# Altium PCB F405.PcbDoc (part 1 of 2) (continued)
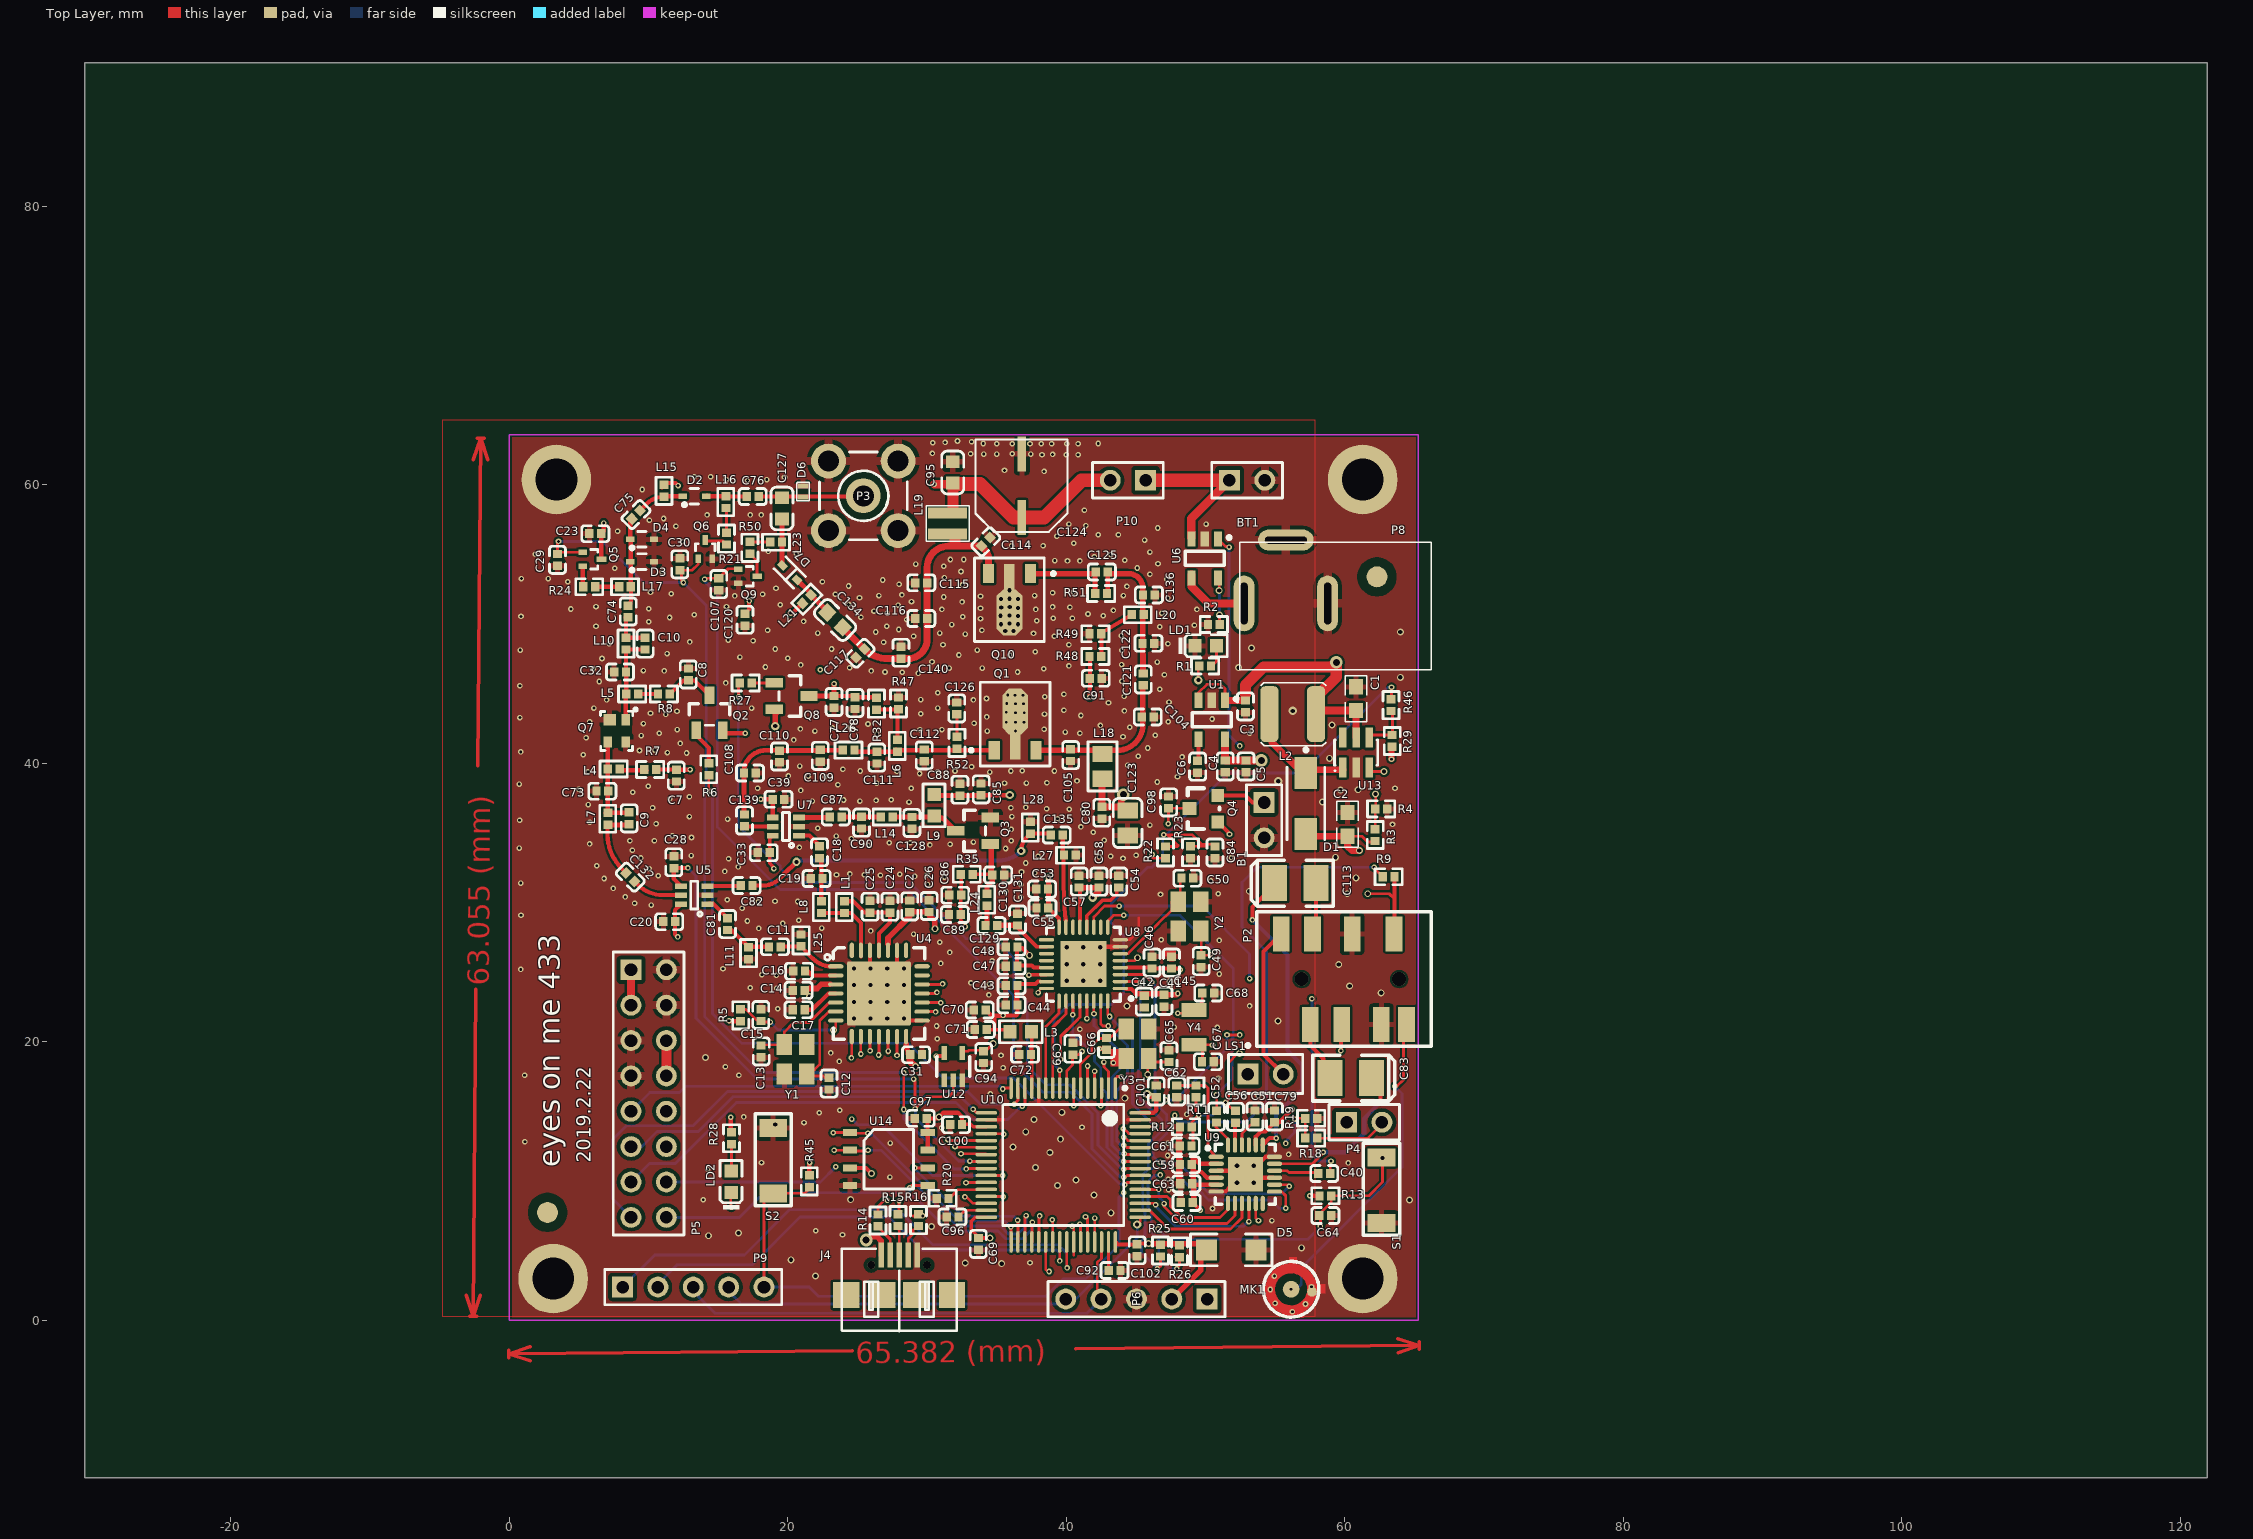
[diagram p0: Top Layer view]
## Footprints (in the part's own frame and the unit in brackets; to place one, negate y for a bottom-side part, rotate by r counter-clockwise, add the part's x,y. Pads: shape width x height; smd on the part's side, far side on the other; paste and mask are expansions set on the pad) (continued)
CASE-B_3528 [mm]
  rect 1.8x2.6 smd: 1(1.5,0) 2(-1.5,0)
  silkscreen extent -2.73,-1.65 3.16,1.65, body extent -1.85,-1.47 1.85,1.46, height 2.03
HDR1X2 [mm] "Connector; Header; 2 Position"
  rect 1.5x1.5 hole 0.9: 1(0,0)
  round 1.5 hole 0.9: 2(2.54,0)
  silkscreen extent -1.27,-1.27 3.81,1.27
HDR1X5 [mm] "Connector; Header; 5 Position"
  rect 1.5x1.5 hole 0.9: 1(0,0)
  round 1.5 hole 0.9: 2(2.54,0) 3(5.08,0) 4(7.62,0) 5(10.16,0)
  silkscreen extent -1.27,-1.27 11.43,1.27
HDR2X8_CEN [mm] "Connector; Header; 8x2 Position"
  rect 1.5x1.5 hole 0.9: 1(0,0)
  round 1.5 hole 0.9: 2(2.54,0) 3(5.08,0) 4(7.62,0) 5(10.16,0) 6(12.7,0) 7(15.24,0) 8(17.78,0) 9(0,2.54) 10(2.54,2.54) 11(5.08,2.54) 12(7.62,2.54) 13(10.16,2.54) 14(12.7,2.54) 15(15.24,2.54) 16(17.78,2.54)
  silkscreen extent -1.27,-1.27 19.05,3.81
LC-SC-75(SOT-523) [mm]
  rect 0.6x0.4 smd: 1(0.675,-0.5) 2(0.675,0.5)
  rect 0.7x0.4 smd: 3(-0.675,0)
  silkscreen extent -0.4,-0.7 0.1,0.7, body extent -0.83,-0.8 0.78,0.8, height 0.8
LC-SOD-523 [mm]
  rect 0.64x0.5 smd: 1(0.73,0) 2(-0.73,0)
  silkscreen extent -1,-0.6 1,0.6, body extent -0.8,-0.4 0.8,0.4, height 0.7
LC-SOT-23(SOT-23-3) [mm]
  rect 1.25x0.7 smd: 1(1.25,-0.95) 2(1.25,0.95) 3(-1.25,0)
  silkscreen extent -0.65,-1.46 0.9,1.46, body extent -1.5,-1.5 1.5,1.5, height 1.3
LC-SOT-23-5 [mm]
  rect 1.1x0.6 smd: 1(1.4,-0.95) 2(1.4,0) 3(1.4,0.95) 4(-1.4,0.95) 5(-1.4,-0.95)
  silkscreen extent -0.5,-1.88 1.62,1.4
LC-SOT-353 [mm]
  rect 1x0.42 smd mask+0.051: 1(0.975,-0.65) 2(0.975,0) 3(0.975,0.65) 4(-0.975,0.65) 5(-0.975,-0.65)
  silkscreen extent -0.7,-1.2 0.7,1.2
"nd3225da - nd2520da" [mm] "Crystal SMD 3.2x2.5mm compatible with 2.5x2.0mm"
  rect 1.5x1.1 smd mask+0.05: 1(-1.05,-0.8) 2(1.05,-0.8) 3(1.05,0.8) 4(-1.05,0.8)
  body extent -1.6,-1.25 1.6,1.25, height 1
PIN2 [mm] "Photosensitive Diode; 2 Leads"
  rect 1.5x1.5 hole 0.9: 1(0,0)
  round 1.5 hole 0.9: 2(2.54,0)
  silkscreen extent -1.4,-1.4 3.94,2.17
PJ30930-Q [mm]
  rect 1.2x2.5 smd: 1(-3.528,-2.908) 2(2.472,3.593) 3(2.322,-2.908) 4(-0.528,-2.908) 5(4.572,-2.908) 6(0.222,3.593) 7(-2.628,3.593) 8(-4.428,3.593)
  silkscreen extent -6.2,-4.48 6.31,5.14
SC70-6 [mm] "SC70 6-Leads, Body 2.0x1.25mm, Pitch 0.65mm"
  rect 0.85x0.4 smd mask+0.05: 1(-0.95,0.65) 2(-0.95,0) 3(-0.95,-0.65) 4(0.95,-0.65) 5(0.95,0) 6(0.95,0.65)
  silkscreen extent -0.55,-1 0.25,1.5, body extent -0.63,-1 0.63,1, height 1.45
SC-79 [mm]
  rect 0.4x0.6 smd: 1(0.051,0.94) 2(0.051,-0.762)
  silkscreen extent -0.68,-0.19 0.61,0.94
SMA [mm]
  rect 2.3x1.6 smd: 1(-2.2,0) 2(2.2,0)
  silkscreen extent -3.97,-1.35 2.6,1.35
SMB_V-RJ45 [mm] "Connector; SMB Straight"
  round 2.5 hole 1.5: 1(0,0) 2(-2.5,-2.5) 2(-2.5,2.5) 2(2.5,-2.5) 2(2.5,2.5)
  silkscreen extent -3.15,-3.15 3.15,3.15
SMNR4020-220M [mm]
  rrect50% 4x1.3 smd mask+0.05: 1(0,1.7) 2(0,-1.651)
  silkscreen extent -2.26,-2.29 2.29,2.41
SOT23-6 [mm] "SOT-23/SC-74A; 5 Leads; Body 3.1 x 3 mm, inc. leads (LxW max)"
  rect 0.55x1.45 smd: 1(-0.95,-1.075) 2(0,-1.075) 3(0.95,-1.075) 4(0.95,1.075) 5(0,1.075) 6(-0.95,1.075)
  silkscreen extent -1.57,-1.35 1.55,0.9
SOT-23-BAT54C [mil]
  rect 36x36 smd: 1(0,0) 2(75,0)
  rect 36x40 smd: 3(38,80)
  silkscreen extent -20,-5 95,85
sot-89 [mm] "SOT-89; Body 4.6 x 4.25 mm, inc. leads (LxW max)"
  oct 1.85x3.3 smd: 0(0,1.388)
  rect 0.8x1.35 smd: 1(-1.5,-1.387) 3(1.5,-1.387)
  rect 0.75x1.8 smd: 2(0,-1.162)
  silkscreen extent -3.27,-2.51 2.5,3.49
SW-SPST [mm]
  rect 1.3x2 smd paste+0 mask+0.2: 1(0,0) 2(4.7,0)
  silkscreen extent -0.89,-1.3 5.72,1.3
SX1278 [mm]
  oval 1.1x0.3 smd mask+0.05: 1(-3.1,1.95) 2(-3.1,1.3) 3(-3.1,0.65) 4(-3.1,0) 5(-3.1,-0.65) 6(-3.1,-1.3) 7(-3.1,-1.95) 15(3.1,-1.95) 16(3.1,-1.3) 17(3.1,-0.65) 18(3.1,0) 19(3.1,0.65) 20(3.1,1.3) 21(3.1,1.95)
  oval 0.3x1.1 smd mask+0.05: 8(-1.95,-3.1) 9(-1.3,-3.1) 10(-0.65,-3.1) 11(0,-3.1) 12(0.65,-3.1) 13(1.3,-3.1) 14(1.95,-3.1) 22(1.95,3.1) 23(1.3,3.1) 24(0.65,3.1) 25(0,3.1) 26(-0.65,3.1) 27(-1.3,3.1) 28(-1.95,3.1)
  rrect5% 4.6x4.6 smd paste-3.3 mask+0.05: 29(0,0)
  Mechanical 15 keep-out lines w0.1: -3.5,-3.5 -3.5,3.5 3.5,3.5 3.5,-3.5 -3.5,-3.5
  silkscreen extent -3.9,-3.27 3.27,3.27, body extent -3,-3 3,3, height 1
TQFP64_L [mm] "Thin QFP, 64-Leads, Body 10x10mm, Pitch 0.5mm, IPC High Density"
  oval 1.55x0.25 smd: 1(-5.525,3.75) 2(-5.525,3.25) 3(-5.525,2.75) 4(-5.525,2.25) 5(-5.525,1.75) 6(-5.525,1.25) 7(-5.525,0.75) 8(-5.525,0.25) 9(-5.525,-0.25) 10(-5.525,-0.75) 11(-5.525,-1.25) 12(-5.525,-1.75) 13(-5.525,-2.25) 14(-5.525,-2.75) 15(-5.525,-3.25) 16(-5.525,-3.75) 33(5.525,-3.75) 34(5.525,-3.25) 35(5.525,-2.75) 36(5.525,-2.25) 37(5.525,-1.75) 38(5.525,-1.25) 39(5.525,-0.75) 40(5.525,-0.25) 41(5.525,0.25) 42(5.525,0.75) 43(5.525,1.25) 44(5.525,1.75) 45(5.525,2.25) 46(5.525,2.75) 47(5.525,3.25) 48(5.525,3.75)
  oval 0.25x1.55 smd: 17(-3.75,-5.525) 18(-3.25,-5.525) 19(-2.75,-5.525) 20(-2.25,-5.525) 21(-1.75,-5.525) 22(-1.25,-5.525) 23(-0.75,-5.525) 24(-0.25,-5.525) 25(0.25,-5.525) 26(0.75,-5.525) 27(1.25,-5.525) 28(1.75,-5.525) 29(2.25,-5.525) 30(2.75,-5.525) 31(3.25,-5.525) 32(3.75,-5.525) 49(3.75,5.525) 50(3.25,5.525) 51(2.75,5.525) 52(2.25,5.525) 53(1.75,5.525) 54(1.25,5.525) 55(0.75,5.525) 56(0.25,5.525) 57(-0.25,5.525) 58(-0.75,5.525) 59(-1.25,5.525) 60(-1.75,5.525) 61(-2.25,5.525) 62(-2.75,5.525) 63(-3.25,5.525) 64(-3.75,5.525)
  silkscreen extent -5.65,-4.35 4.35,4.55, body extent -5,-5 5,5, height 1.6
TSLP-2-20 [mm]
  rect 0.7x0.35 smd mask+0.05: 1(0.025,0.4) 2(0.025,-0.375)
  silkscreen extent -0.43,-0.66 0.48,0.69
USB-MICRO [mm]
  rect 1.9x1.9 smd: 0(-3.797,-1.333) 0(-1.206,-1.333) 0(1.232,-1.333) 0(3.797,-1.333)
  round 0.55 hole 0.55: 0(-2,0.817) 0(2,0.817)
  rect 0.4x1.8 smd paste+0: 1(-1.295,1.533)
  rect 0.4x1.8 smd: 2(-0.635,1.533) 3(0.013,1.533) 4(0.66,1.533) 5(1.308,1.533)
  silkscreen extent -4.13,-3.91 4.14,1.99, body extent -4.07,-3.92 4.13,2.01, height 2.77
W25Q64 [mil]
  rect 40x20 smd: 1(-80,75) 2(-80,25) 3(-80,-25) 4(-80,-75) 5(140,-75) 6(140,-25) 7(140,25) 8(140,75)
  silkscreen extent -40,-85 100,83
Wm8974 [mm]
  oval 1.1x0.3 smd: 1(-2.095,1.25) 2(-2.095,0.75) 3(-2.095,0.25) 4(-2.095,-0.25) 5(-2.095,-0.75) 6(-2.095,-1.25) 13(2.095,-1.25) 14(2.095,-0.75) 15(2.095,-0.25) 16(2.095,0.25) 17(2.095,0.75) 18(2.095,1.25)
  oval 0.3x1.1 smd: 7(-1.25,-2.095) 8(-0.75,-2.095) 9(-0.25,-2.095) 10(0.25,-2.095) 11(0.75,-2.095) 12(1.25,-2.095) 19(1.25,2.095) 20(0.75,2.095) 21(0.25,2.095) 22(-0.25,2.095) 23(-0.75,2.095) 24(-1.25,2.095)
  rect 2.5x2.5 smd: 25(0,0)
  silkscreen extent -2.82,-2.15 2.15,2.15, body extent -2.07,-2.07 2.08,2.07, height 1
电源插座 [mm]
  oval 1.5x4 hole 0.5 slot 3 at 90 deg: 1(-7.087,-0.025) 2(-1.087,-0.026)
  oval 4x1.5 hole 0.5 slot 3 at 0 deg: 3(-4.087,4.524)
  silkscreen extent -7.42,-4.8 6.35,4.37

## Part data
B1: library part BATTERY
BT1: library part Battery, "Multicell Battery", LatestRevisionDate=17-Jul-2002, LatestRevisionNote="Re-released for DXP Platform.", PackageReference=BAT-2, Published=24-Mar-1999, Publisher="Altium Limited"
C1 C2 C9 C10 C11 C12 C13 C14 C15 C16 C17 C18 C19 C20 C24 C25 C26 C27 C28 C31 C32 C33 C39 C73 C74 C77 C78 C80 C81 C82 C85 C86 C87 C88 C89 C90 C94 C104 C105 C108 C109 C110 C111 C112 C114 C115 C116 C117 C121 C122 C123 C125 C126 C128 C129 C130 C131 C135 C136 C139 C140: library part Cap, "贴片电容", LatestRevisionNote="Re-released for DXP Platform.", Published=8-Jun-2000, Publisher="Altium Limited"
  C1 C2 C9 C10 C11 C18 C19 C20 C24 C25 C26 C27 C28 C32 C33 C39 C73 C74 C81 C82 C87 C90 C94 C104 C105 C108 C109 C110 C111 C112 C114 C115 C116 C117 C121 C122 C125 C126 C128 C129 C130 C131 C135 C136 C139 C140: LatestRevisionDate="05-oct-2007  -  Semtech"
  C12 C13 C14 C15 C16 C17 C31 C77 C78 C80 C85 C86 C88 C89 C123: LatestRevisionDate=17-Jul-2002, PackageDescription="Radial Cap, Thru-Hole; 2 Leads; 0.3 in Pin Spacing", PackageReference=RAD-0.3
C3 C4 C5 C92 C96 C100 C101 C102: library part CAP, "贴片电容"
C6: library part CAP
C7 C23 C29 C30 C40 C41 C42 C43 C44 C45 C46 C47 C48 C51 C52 C53 C54 C55 C56 C57 C58 C59 C60 C61 C62 C63 C72 C75 C76 C79 C84 C97 C98 C107 C120 C127 C134: library part C_0603, "贴片电容"
C8 C91: library part Cap, "Capacitor", LatestRevisionDate=17-Jul-2002, LatestRevisionNote="Re-released for DXP Platform.", PackageDescription="Radial Cap, Thru-Hole; 2 Leads; 0.3 in Pin Spacing", PackageReference=RAD-0.3, Published=8-Jun-2000, Publisher="Altium Limited"
C49 C50 C64 C65 C66 C67 C68 C70 C71 C99: library part "Cap Semi", "贴片电容", LatestRevisionDate=29-May-2009, LatestRevisionNote="IPC-7351 Footprint Added.", PackageDescription="Chip Capacitor", PackageReference=C1206, Published=8-Jun-2000, Publisher="Altium Limited"
  C66: Valie=12pF
C69 C95: library part CAP, "Capacitor"
C83 C113 C124: library part "Cap Pol1", "Polarized Capacitor (Radial)", LatestRevisionDate=17-Jul-2002, LatestRevisionNote="Re-released for DXP Platform.", PackageDescription="Polarized Capacitor (Radial); 2 Leads", PackageReference=RB7.6-15, Published=8-Jun-2000, Publisher="Altium Limited"
C132: library part Cap, "Capacitor SMD", LatestRevisionDate="05-oct-2007  -  Semtech", LatestRevisionNote="Re-released for DXP Platform.", Published=8-Jun-2000, Publisher="Altium Limited"
D1 D5 D6: library part "D Zener", "Zener Diode", LatestRevisionDate=17-Jul-2002, LatestRevisionNote="Re-released for DXP Platform.", PackageDescription="Diode, Thru-Hole; 2 Leads; 0.7 in Pin Spacing", PackageReference=DIODE-0.7, Published=8-Jun-2000, Publisher="Altium Limited"
D2 D3 D4: library part "Diode 1N4149", "Computer Diode", Code_JEDEC=DO-204-AH, ComponentLink1Description="Manufacturer Link", ComponentLink1URL=http://www.national.com/, DatasheetVersion=1989, LatestRevisionDate=17-Jul-2002, LatestRevisionNote="Re-released for DXP Platform.", PackageDescription="Diode, Axial; Body 4.6 x 1.9 mm (LxDia. max), Lead Dia. 0.53 mm (max)", PackageReference=DO-35A, PackageVersion=1989, Published=8-Jun-2000, Publisher="Altium Limited"
D7: library part BA592, "Silicon RF Switching Diode for VHF Band Switching in TV/VTR Tuners", PackageDocument=Sep-2000, ComponentLink1Description="Manufacturer Link", ComponentLink1URL=http://www.infineon.com/, ComponentLink2Description=Datasheet, ComponentLink2URL=http://www.infineon.com/upload/Document/cmc_upload/documents/080/120/ba592_ba892series_1.pdf, DatasheetDocument=Oct-1999, LatestRevisionDate=19-Mar-2004, LatestRevisionNote="Silkscreen size reduced.", PackageReference=SOD-323, Published=21-Mar-2003, Publisher="Altium Limited"
L1 L2 L3 L4 L5 L6 L7 L8 L9 L10 L11 L14 L18 L20 L24 L25 L26 L27 L28: library part Inductor, "贴片电感", Code_IEC=1005, Code_JEITA=0402, Published=8-Jun-2000, Publisher="Altium Limited"
  L1 L2 L4 L5 L6 L7 L8 L9 L10 L11 L14 L18 L20 L24 L25 L26 L27 L28: LatestRevisionDate="05-oct-2007  -  Semtech", LatestRevisionNote="Re-released for DXP Platform."
  L3: LatestRevisionDate=29-May-2009, LatestRevisionNote="IPC-7351 Footprint Added.", PackageDescription="Chip Inductor", PackageReference=0402-A
L15 L16 L17 L21 L23: library part Inductor, "Inductor", Code_IEC=1005, Code_JEITA=0402, LatestRevisionDate=29-May-2009, LatestRevisionNote="IPC-7351 Footprint Added.", PackageDescription="Chip Inductor", PackageReference=0402-A, Published=8-Jun-2000, Publisher="Altium Limited"
L19: "贴片电感", Code_IEC=1005, Code_JEITA=0402, LatestRevisionDate="05-oct-2007  -  Semtech", LatestRevisionNote="Re-released for DXP Platform.", Published=8-Jun-2000, Publisher="Altium Limited"
LS1: "Loudspeaker", LatestRevisionDate=17-Jul-2002, LatestRevisionNote="Re-released for DXP Platform.", PackageReference=PIN2, Published=24-Mar-1999, Publisher="Altium Limited"
MK1: "Microphone", LatestRevisionDate=17-Jul-2002, LatestRevisionNote="Re-released for DXP Platform.", PackageReference=PIN2, Published=24-Mar-1999, Publisher="Altium Limited"
P3: "SMB Straight Connector", LatestRevisionDate=17-Jul-2002, LatestRevisionNote="Re-released for DXP Platform.", Publisher="Altium Limited"
P4 P10: "Header, 2-Pin", LatestRevisionDate=17-Jul-2002, LatestRevisionNote="Re-released for DXP Platform.", Publisher="Altium Limited"
P5: "Header, 8-Pin, Dual row", LatestRevisionDate=17-Jul-2002, LatestRevisionNote="Re-released for DXP Platform.", Publisher="Altium Limited"
P6 P9: "Header, 5-Pin", LatestRevisionDate=17-Jul-2002, LatestRevisionNote="Re-released for DXP Platform.", Publisher="Altium Limited"
P8: "Header, 3-Pin", LatestRevisionDate=17-Jul-2002, LatestRevisionNote="Re-released for DXP Platform.", Publisher="Altium Limited"
Q1 Q10: library part MOSFET-N, "N-Channel MOSFET", LatestRevisionDate=17-Jul-2002, LatestRevisionNote="Re-released for DXP Platform.", PackageDescription="TO, Flat Index; 3 In-Line, Axial Leads; Body Dia. 4.6mm; Lead Dia. 0.5 mm (max)", PackageReference=E3, PackageVersion=1995/1996, Published=8-Jun-2000, Publisher="Altium Limited"
Q2 Q8: library part PMOS-2, "P-Channel Power MOSFET", ComponentLink1Description="Manufacturer Link", ComponentLink1URL=http://www.irf.com/, DatasheetVersion=PD-9.390D, LatestRevisionDate=17-Jul-2002, LatestRevisionNote="Re-released for DXP Platform.", Note="Pin 4 not drawn and electrically connected to Pin 2.", PackageDescription="TO, Thru-Hole, Vertical, Heatsink Mounted; 3 In-Line Leads; Pitch 2.54 mm", PackageReference=TO-220AB, PackageVersion=Feb-1997, Published=8-Jun-2000, Publisher="Altium Limited"
Q3: library part QNPN, "NPN Bipolar Transistor", LatestRevisionDate=29-May-2009, LatestRevisionNote="IPC-7351 Footprint Added.", PackageDescription="3-Pin SOT-23 Package 0.95 mm Pitch, 2.4 mm Lead Span", PackageReference=SOT-23B, PackageVersion=Aug-1999, Published=8-Jun-2000, Publisher="Altium Limited"
Q5 Q6 Q9: library part PDTC114EEF, "NPN Resistor-equipped Transistor", ComponentLink1Description="Manufacturer Link", ComponentLink1URL=http://www.semiconductors.philips.com/, ComponentLink2Description=Datasheet, ComponentLink2URL=http://www.semiconductors.philips.com/acrobat/datasheets/PDTC114E_SERIES_10.pdf, DatasheetVersion=31-May-1999, PackageDescription="SC-89; 3 Flat Leads; Body 1.6 x 1.6 x 0.7 mm, inc leads (LxWxH typ)", PackageReference=SOT490, PackageVersion=Oct-1998, Published=17-Sep-2003, Publisher="Altium Limited"
Q7: library part NE3509
R1 R11 R12 R28: library part R_0603, "贴片电阻"
R2: library part Res2, "Resistor", Manufacturer="Generic Components", Class=Passive, Published=08/06/2000, Publisher="Altium Hobart Technology Centre", SubClass=Resistor
R3 R4 R6 R7 R8 R27 R29 R32 R35 R46 R47 R48 R49 R51: library part Resistor, "贴片电阻", LatestRevisionDate="27-Jul-20  -  Semtech"
R5 R9 R13 R22 R23 R25 R26 R45: library part Res2, "贴片电阻", LatestRevisionDate=17-Jul-2002, LatestRevisionNote="Re-released for DXP Platform.", PackageDescription="Axial Device, Thru-Hole; 2 Leads; 0.4 in Pin Spacing", PackageReference=AXIAL-0.4, Published=8-Jun-2000, Publisher="Altium Limited"
R14 R15 R16 R18 R19 R20 R21 R24 R50: library part RES, "贴片电阻"
R52: library part Res1, "Resistor", LatestRevisionDate=17-Jul-2002, LatestRevisionNote="Re-released for DXP Platform.", PackageDescription="Axial Device, Thru-Hole; 2 Leads; 0.3 in Pin Spacing", PackageReference=AXIAL-0.3, Published=8-Jun-2000, Publisher="Altium Limited"
S1 S2: "Switch", LatestRevisionDate=17-Jul-2002, LatestRevisionNote="Re-released for DXP Platform.", PackageDescription="Switch; 2 Leads", PackageReference=SPST-2, Published=24-Mar-1999, Publisher="Altium Limited"
U1: library part RT9193
U4: library part SX1276, "SX1276 - Low Power Integrated UHF Transceiver with loRa Modem", LatestRevisionDate="27-Jul-2009 -  Semtech"
U5 U7: library part "PE4259 RF Switch", "PE4259 Peregrine RF Switch", LatestRevisionDate="03-Sep-2012 -  Semtech"
U8: library part RDA846S
U10: "ARM Cortex-M4 32b MCU+FPU, 210DMIP, 1024 kB Flash, 192+4 kB RAM, 51 I/Os, 64-pin LQFP, -40 to +85癈, Tray", Operating Frequency (Processor Speed)=168MHz, 16-bit Timers (IC/OC/PWM)=12x16-bit(24/24/30), 32-bit Timer (IC/OC/PWM)="2x32-bit (8/8/8)", A/D Converter=16x12-bit, ComponentLink1Description="Manufacturer URL", ComponentLink1URL=http://www.st.com/, ComponentLink2Description="STM32F405/7 Datasheet", ComponentLink2URL=http://www.st.com/internet/com/TECHNICAL_RESOURCES/TECHNICAL_LITERATURE/DATASHEET/DM00037051.pdf, ComponentLink3Description="STM32F4 Web Page", ComponentLink3URL=http://www.st.com/internet/mcu/subclass/1521.jsp, D/A Converter=2x12-bit, DatasheetVersion="rev2, Jan-2012", Internal RAM=192kB, Other Timer Functions="2xWDG, RTC, 24-bit down counter", PackageDescription="64-Pin Low Profile Quad Flat Package, 10x10 mm Body, 0.5 mm Pitch", PackageReference=TQFP64, PackageVersion=2012, Serial Interface="3xSPI/2xI2S/2xI2C/3xUSART(IrDa, ISO7816)/3xUART/1xUSB OTG FS/HS, 2xCAN/ SDIO"
U12: library part Component_1
Y1 Y2 Y3 Y4: library part XTAL, "Crystal Oscillator", LatestRevisionDate=17-Jul-2002, LatestRevisionNote="Re-released for DXP Platform.", PackageDescription="Crystal, Thru-Hole; 2 Leads; Body 3.1 x 8.2 mm (Dia.xH)", PackageReference=R38, Published=8-Jun-2000, Publisher="Altium Limited"

## Free pads (board coordinates)
  round 5 / inner round 3 / far side round 5 hole 3: 0(3.15,2.997) 0(3.378,60.376) 0(61.279,2.997) 0(61.279,60.376)
  round 1.5 smd mask+0.6: 2(2.743,7.747) 2(62.306,53.391)

## Via types
v1: diameter 0.4, hole 0.2, Top Layer to Bottom Layer, 614 vias
v2: diameter 0.5, hole 0.3, Top Layer to Bottom Layer, 61 vias
v3: diameter 0.6, hole 0.3, Top Layer to Bottom Layer, 27 vias
v4: diameter 0.5, hole 0.3, Top Layer to Bottom Layer, tented top, 16 vias
v5: diameter 0.5, hole 0.2, Top Layer to Bottom Layer, 13 vias
v6: diameter 0.66, hole 0.33, Top Layer to Bottom Layer, tented top, 13 vias
v7: diameter 0.9, hole 0.5, Top Layer to Bottom Layer, 4 vias
v8: diameter 1, hole 1, Top Layer to Bottom Layer, 2 vias

## Nets (pads, with @x,y where several pads share a name; then routed paths per layer and width w, separated by ;. In a path a pad name is that pad's centre, name@x,y a point inside that pad or via, vN(x,y) a via of type N, cw(c..) or ccw(c..) an arc to the next point about the centre after c; other vN are vias at no path point)
5V_EN: R29.1 R46.1 U13.4 | length 3
  Top Layer w0.2: U13.4@61.758,41.842 61.945,42.029 R29.1@63.398,42.029 R29.1@63.449,42.08 ; 63.424,42.342 R46.1@63.424,43.537
1278_DIO0: U4.8 U10.30 | length 16.8
  Top Layer w0.2: v1(24.562,18.847) 24.593,18.878 U4.8@24.593,20.24 ; v1(32.715,8.865) 32.842,8.865 33.306,8.401 U10.30@34.251,8.401
  MidLayer2 w0.2: v1(24.562,18.847) 26.111,17.297 26.111,14.961 32.207,8.865 v1(32.715,8.865)
1278_DIO1: U4.9 U10.37 | length 23
  Top Layer w0.2: U4.9@25.243,20.37 25.243,19.131 v1(25.248,19.126) ; U10.37@38.012,5.611 U10.37@38.026,5.626 v1@38.026,7.493
  MidLayer1 w0.2: v1(25.248,19.126) 25.248,15.519 31.452,9.315 36.456,9.315 38.075,7.696 v1(38.075,7.493)
1278_DIO2: U4.10 U10.27 | length 15.5
  Top Layer w0.2: U4.10@25.893,20.37 25.893,19.365 v1(25.908,19.35) ; v1(32.791,9.881) 32.791,9.855 32.837,9.901 U10.27@34.251,9.901
  MidLayer1 w0.2: v1(25.908,19.35) 25.908,15.697 31.725,9.881 v1(32.791,9.881)
  Bottom Layer w0.2: v1@32.783,9.889 v1(32.791,9.881)
1278_DIO3: U4.11 U10.29 | length 17.8
  Top Layer w0.2: v1(26.518,19.05) 26.543,19.075 U4.11@26.543,20.37 ; U10.29@34.251,8.901 35.448,8.901 35.458,8.89 v1(35.458,8.865)
  MidLayer2 w0.2: v1(26.518,19.05) 26.518,15.518 32.605,9.431 32.911,9.431 33.477,8.865 v1(35.458,8.865)
1278_DIO4: U4.12 U10.39 | length 22.2
  Top Layer w0.2: U4.12@27.193,20.37 27.193,19.217 27.178,19.202 27.203,19.177 v1(27.203,19.329) ; v1(38.989,7.214) 39.026,7.176 U10.39@39.026,5.626
  MidLayer1 w0.2: v1(27.203,19.329) 27.203,15.291 32.131,10.363 33.553,10.363 34.061,9.855 36.474,9.855 38.989,7.341 v1(38.989,7.214)
1278_DIO5: U4.13 U10.42 | length 22.6
  Top Layer w0.2: v1(27.838,19.025) 27.843,19.029 U4.13@27.843,20.37 ; v1(40.411,6.756) 40.526,6.641 U10.42@40.526,5.626 40.526,4.686
  MidLayer1 w0.2: v1(27.838,19.025) 27.838,16.993 28.499,16.332 30.683,16.332 40.31,6.706 40.513,6.706 40.462,6.756 v1(40.411,6.756)
  MidLayer2 w0.2: v1(40.411,6.756) v1@40.462,6.807
1278_MISO: U4.17 U10.22 | length 14.2
  Top Layer w0.2: U4.17@29.493,22.82 U4.17@29.643,22.82 31.003,22.82 31.013,22.809 v1(30.988,22.809) ; v1@32.004,12.426 U10.22@33.667,12.426
  MidLayer2 w0.2: v1(30.988,22.809) 32.227,21.57 32.227,12.796 32.004,12.573 v1(32.004,12.471)
1278_MOSI: U4.18 U10.23 | length 15.7
  Top Layer w0.2: U4.18@29.643,23.47 30.632,23.47 v1(30.709,23.546) ; v1(32.436,11.963) 34.189,11.963 U10.23@34.251,11.901
  MidLayer2 w0.2: v1(30.709,23.546) 30.959,23.546 32.834,21.67 32.834,12.362 v1(32.436,11.963)
1278_NSS: U4.19 U10.20 | length 15.4
  Top Layer w0.2: U4.19@29.643,24.12 31.003,24.12 31.039,24.155 v1(31.115,24.155) ; U10.20@34.237,13.386 U10.20@34.251,13.401 35.469,13.401 v1(35.509,13.36)
  MidLayer2 w0.2: v1(31.115,24.155) 31.191,24.155 33.858,21.488 33.858,15.011 v1(35.509,13.36)
1278_SCK: U4.16 U10.21 | length 13.4
  Top Layer w0.2: U4.16@29.493,22.17 U4.16@29.643,22.17 30.586,22.17 v1(30.607,22.149) ; v1@31.496,12.901 31.517,12.921 34.231,12.921 U10.21@34.251,12.901
  MidLayer2 w0.2: v1(30.607,22.149) 31.496,21.26 v1(31.496,12.979)
1846_AFOUT: C52.2 U8.9 | length 21.6
  Top Layer w0.2: U8.9@42.974,28.228 42.974,28.674 43.383,29.083 v1(44.12,29.083) ; 50.8,15.367 v1@50.8,16.205
  Bottom Layer w0.2: v1(44.12,29.083) 48.16,29.083 51.987,25.256 51.987,20.311 51.904,20.229 51.904,17.335 v1(50.775,16.205)
1846_CODE_IN/CODE_OUT: U8.31 U10.59 | length 13.3
  Top Layer w0.2: U8.31@42.474,22.928 42.474,21.28 42.621,21.133 v1(43.002,21.133) ; v1(44.12,12.573) 44.172,12.573 44.344,12.401 U10.59@45.301,12.401
  Bottom Layer w0.2: v1(43.002,21.133) 44.392,19.743 44.392,17.258 43.619,16.485 43.619,12.878 43.924,12.573 v1(44.12,12.573)
1846_CSS_IN/CSS_OUT: U8.32 U10.62 | length 11.5
  Top Layer w0.2: U8.32@42.974,22.928 42.974,21.948 v1(43.104,21.819) ; U10.62@45.301,13.901 46.336,13.901 v1(46.355,13.919)
  Bottom Layer w0.2: v1(43.104,21.819) 44.747,20.176 44.747,15.527 v1(46.355,13.919)
1846_GPIO2/INT: U8.30 U10.58 | length 13.8
  Top Layer w0.2: U8.30@41.974,22.928 41.974,22.008 v1(41.986,22.02) ; v1@44.145,11.913 44.157,11.901 U10.58@45.301,11.901
  Bottom Layer w0.2: v1(41.986,22.02) 41.986,21.158 43.967,19.177 43.967,18.162 43.383,17.578 43.383,17.539 43.269,17.424 43.269,12.573 43.879,11.963 v1(44.145,11.963)
1846_GPIO3/SDO: U8.29 U10.2 | length 6.9
  Top Layer w0.2: U8.29@41.474,22.928 41.474,21.645 41.478,21.649 v1(41.478,21.666) ; v1(42.697,18.542) 42.697,18.186 43.026,17.857 U10.2@43.026,16.676
  MidLayer1 w0.2: v1(41.478,21.666) 41.496,21.648 41.496,19.742 42.696,18.542 v1(42.697,18.542)
1846_GPIO4/RXON: LD2.K U8.28 U10.26 | length 40.9
  Top Layer w0.2: LD2.K@15.9,9.222 15.9,8.255 15.926,8.255 v1(15.926,8.128) ; U10.26@34.251,10.401 v1(35.42,10.401) ; v1(39.599,18.745) 39.599,20.396 40.673,21.47 40.674,21.47 40.974,21.77 U8.28@40.974,22.928
  MidLayer1 w0.2: v1(15.926,8.128) 16.612,8.128 22.936,14.453 v1(24.587,14.453)
  MidLayer2 w0.2: v1(35.42,10.401) 38.837,13.818 38.837,17.983 v1(39.599,18.745)
  Bottom Layer w0.2: v1@24.6,14.465 25.019,14.046 26.746,14.046 30.392,10.401 v1(35.42,10.401)
1846_GPIO5/TXON: U8.27 U10.57 | length 14.5
  Top Layer w0.2: v1@40.462,21.92 v1@40.474,21.92 ; v1(40.462,21.946) 40.462,21.932 v1@40.474,21.92 ; v1@40.474,21.869 v1@40.474,21.92 ; U8.27@40.474,22.928 v1@40.474,21.92 ; v1(44.12,11.405) 44.124,11.401 U10.57@45.301,11.401
  Bottom Layer w0.2: v1(40.462,21.946) 40.462,20.601 42.012,19.051 42.012,18.591 42.476,18.127 42.476,16.731 42.919,16.289 42.919,12.479 42.894,12.453 43.942,11.405 v1(44.12,11.405)
1846_GPIO6/SQ: U8.26 U10.10 | length 6.6
  Top Layer w0.2: U10.10@39.026,16.676 39.026,21.043 39.974,21.991 U8.26@39.974,22.928
1846_GPIO7/VOX: U8.25 U10.11 | length 6.6
  Top Layer w0.2: U10.11@38.526,16.676 38.526,21.102 39.474,22.05 U8.25@39.474,22.928
1846_PDN: C94.1 U8.24 U12.4 | length 8.3
  Top Layer w0.2: U12.4@32.527,19.187 32.654,19.314 32.933,19.314 33.017,19.398 34.282,19.398 v2(34.747,19.863) ; v1(37.973,23.531) 37.973,23.622 38.179,23.828 U8.24@38.574,23.828
  MidLayer2 w0.2: v2(34.747,19.863) 37.668,22.784 37.668,23.227 v1(37.973,23.531)
8974_ADC: U9.7 U10.52 | length 8.2
  Top Layer w0.2: U10.52@45.301,8.901 47.233,8.901 47.465,8.669 47.465,8.23 48.304,7.391 51.029,7.391 51.607,7.97 U9.7@51.607,8.395 ; U9.7@51.607,8.148 U9.7@51.607,8.515
8974_BCLK: U9.10 U10.51 | length 10
  Top Layer w0.2: U10.51@45.301,8.401 46.311,8.401 v1(46.406,8.306) ; U9.10@53.107,8.395 53.137,8.366 53.111,8.34 v1(53.111,7.087)
  Bottom Layer w0.2: v1(46.406,8.306) 46.406,8.189 47.838,6.756 52.73,6.756 53.061,7.087 v1(53.111,7.087)
8974_DAC: U9.8 U10.53 | length 10.1
  Top Layer w0.2: U10.53@45.301,9.401 45.304,9.398 45.329,9.423 45.355,9.398 v1(46.634,9.398) ; v1(47.015,8.382) 47.015,8.185 48.241,6.96 51.537,6.96 52.107,7.53 U9.8@52.107,8.395 ; U9.8@52.107,7.861 U9.8@52.107,8.515
  Bottom Layer w0.2: v1(46.634,9.398) 46.634,8.865 47.015,8.484 v1(47.015,8.382)
8974_FRAME: U9.9 U10.50 | length 9.2
  Top Layer w0.2: U10.50@45.301,7.901 45.982,7.901 47.329,6.553 51.795,6.553 52.607,7.366 U9.9@52.607,8.395
8974_MCLK: U9.11 U10.38 | length 21.3
  Top Layer w0.2: U10.38@38.526,5.626 38.526,3.638 38.659,3.505 v1(38.76,3.505) ; U9.11@53.607,8.395 53.607,7.353 v1(53.797,7.163)
  MidLayer1 w0.2: v1(38.76,3.505) 38.684,3.429 39.566,2.547 49.512,2.547 53.797,6.833 v1(53.797,7.163)
+3.3V: C4.1 C5.1 C7.1 C14.1 C20.2 C26.2 C27.2 C31.1 C33.2 C41.2 C42.2 C43.2 C44.1 C45.2 C46.2 C47.1 C48.2 C53.1 C55.1 C57.1 C58.1 C59.1 C60.2 C63.2 C69.1 C70.1 C71.1 C97.2 C100.1 C101.1 C102.1 D5.2 L3.1 P4.1 P5.11 P5.12 P6.2 Q2.2 Q4.1 Q8.2 R1.2 R5.2 R7.2 R13.2 R25.2 R26.2 R28.2 R29.2 R45.2 U1.5 U4.3 U4.14 U4.24 U5.6 U7.6 U8.1 U8.4 U8.13 U8.16 U8.21 U8.23 U9.2 U9.4 U9.5 U10.19 U10.32 U10.48 U10.64 U12.5 U14.3 U14.7 U14.8 | length 332.1
  Top Layer w0.2: v3(49.479,45.974) R1.2@49.479,46.973
  Top Layer w0.254: U7.6@18.913,34.808 18.694,34.59 C33.2@18.694,33.579 18.694,32.817 18.999,32.512 v1(18.999,32.436) ; C100.1@32.58,14.072 33.147,14.072 33.318,13.901 U10.19@34.251,13.901 ; C69.1@33.749,5.918 33.172,6.494 33.172,7.112 33.461,7.401 U10.32@34.251,7.401 ; C71.1@34.283,20.879 34.309,20.853 34.849,20.853 L3.1@36.028,20.853
  Top Layer w0.3: R7.2@10.541,39.548 11.945,39.548 C7.1@12.014,39.478 ; C7.1@11.989,39.541 12.973,39.541 v1(12.979,39.548) ; v1(12.09,27.534) 11.906,27.718 C20.2@11.906,28.626 11.906,29.452 U5.6@12.334,29.881 ; Q2.2@15.326,42.387 15.55,42.164 v1(16.942,42.164) ; v1(15.773,21.514) 15.811,21.477 R5.2@16.612,21.477 ; R28.2@15.9,13.716 v1(15.9,14.58) ; R45.2@21.539,10.407 21.539,11.303 v1(21.565,11.328) ; U14.3@24.46,10.947 25.603,10.947 v2(26.01,10.541) ; U14.7@30.048,12.217 U14.8@30.048,13.487 30.04,13.495 30.04,14.503 30.759,14.503 v2(30.861,14.606) 31.165,14.91 32.207,14.91 32.505,14.612 32.505,14.121 32.554,14.072 C100.1@32.58,14.072 ; v1(30.658,18.974) U12.5@31.262,18.974 ; C69.1@33.749,5.918 v2(34.519,5.918) ; C70.1@34.207,22.276 34.613,21.869 34.849,21.869 ; 34.849,20.853 34.849,21.869 ; C43.2@36.43,24.149 37.789,24.149 37.968,24.328 U8.23@38.12,24.328 ; C44.1@36.493,22.657 36.493,21.99 36.398,21.895 v1(35.458,21.895) 35.458,21.869 34.849,21.869 ; v2(37.363,26.213) 36.83,26.746 36.449,26.746 36.449,25.476 37.516,25.476 37.664,25.328 U8.21@38.049,25.328 ; C55.1@38.71,29.616 39.474,28.852 U8.16@39.474,28.626 ; C57.1@40.919,31.078 40.974,31.023 U8.13@40.974,28.702 ; U10.48@43.588,5.564 43.699,5.453 44.831,5.453 44.839,5.461 45.085,5.451 45.146,5.512 v2(45.898,5.512) ; U8.1@44.298,23.8 44.671,23.8 45.009,23.462 ; U8.4@44.399,25.328 46.085,25.328 C46.2@46.152,25.261 C45.2@47.549,25.261 48.094,25.261 v1(48.184,25.171) ; U10.64@45.301,14.901 46.27,14.901 46.457,15.088 C101.1@46.457,16.016 ; 47.725,5.512 R26.2@47.827,5.41 ; C60.2@49.066,8.458 49.606,7.918 v1(49.606,7.899) ; C63.2@49.124,9.703 49.161,9.74 U9.5@50.762,9.74 U9.5@50.882,9.74 ; 49.124,10.643 49.708,10.643 50.11,10.24 U9.4@50.762,10.24 U9.4@50.882,10.24 ; 49.124,11.684 49.567,11.24 U9.2@50.762,11.24 U9.2@50.882,11.24 ; D5.2@49.606,5.512 D5.2@50.063,5.055 ; Q4.1@50.876,35.789 51.714,34.95 v1(51.714,34.9) ; v1(57.48,8.941) R13.2@58.18,8.941
  Top Layer w0.35: C55.1@38.71,29.616 v1(38.71,31.801)
  Top Layer w0.4: Q8.2@19.019,43.881 19.228,43.672 19.101,43.545 v3(19.101,42.672) ; 21.581,23.825 22.098,23.825 22.392,24.12 U4.3@23.063,24.12 ; U4.24@27.193,27.051 27.193,27.456 C27.2@28.753,29.016 ; U4.14@28.493,19.837 28.493,19.623 28.66,19.253 C31.1@28.651,19.15 ; C27.2@28.753,29.3 28.778,29.325 C26.2@30.15,29.325 30.15,29.083 30.556,28.677 v2(30.556,28.118) ; C43.2@36.43,24.149 36.449,24.13 36.449,22.701 C44.1@36.493,22.657 ; C57.1@40.919,31.078 42.266,31.078 42.266,30.734 ; 45.009,23.462 C41.2@46.83,23.462 ; v3(45.799,16.256) 45.799,16.202 45.898,16.104 46.369,16.104 C101.1@46.457,16.016 ; v2(45.898,5.512) 47.725,5.512 D5.2@49.606,5.512 ; C41.2@47.015,23.368 47.879,23.368 47.955,23.444 v1@47.981,23.444 ; P6.2@47.574,1.524 49.657,3.607 49.657,5.156 D5.2@49.606,5.105 ; C60.2@49.066,8.458 49.141,8.533 49.141,9.423 ; 49.098,11.709 49.124,11.684 49.124,10.643 C63.2@49.124,9.703 ; v1(63.348,40.284) 63.348,41.128 R29.2@63.398,41.179
  Top Layer w0.5: C31.1@28.785,19.075 28.785,18.586 v2(29.159,18.212) ; v3(41.885,30.353) 42.266,30.734
  Top Layer w0.6: U1.5@51.394,41.726 51.394,40.242 51.435,40.201 C5.1@52.908,40.201 v7(54.007,40.201)
  Top Layer w0.7: P5.12@11.278,17.551 P5.11@11.278,20.091
  MidLayer1 w0.4: v1@47.981,23.444 v1(48.006,23.47)
  MidLayer2 w0.254: v1(18.999,32.436) 19.279,32.436 19.592,32.749
  MidLayer2 w0.3: P5.12@11.278,17.551 12.929,17.551 v1(15.9,14.58) ; v1(12.979,39.548) 13.132,39.7 15.494,39.7 ; 14.465,22.669 14.618,22.669 v1(15.773,21.514) ; v1(16.942,42.164) 18.593,42.164 ; 19.101,42.189 19.075,42.164 18.593,42.164 ; v3(19.101,42.672) 18.593,42.164 ; v1(21.565,11.328) 22.987,9.906 26.086,9.906 ; 29.856,18.999 29.882,18.974 v1(30.658,18.974) ; v1(48.184,25.171) 48.862,25.171 ; 49.479,35.306 v3(49.479,45.974) ; v1(49.606,7.899) 49.657,7.849 49.657,6.426 ; 51.06,36.57 51.06,35.986 51.714,35.331 v1(51.714,34.9) ; v7(54.007,40.201) 57.792,40.201 58.699,39.294 61.214,39.294 62.205,40.284 v1(63.348,40.284) ; 56.477,13.119 59.017,13.119 P4.1@60.122,14.224 ; 56.757,8.992 56.808,8.941 v1(57.48,8.941)
  MidLayer2 w0.4: 29.856,24.816 31.572,24.816 34.493,21.895 v1(35.458,21.895) ; 29.856,28.118 v2(30.556,28.118) ; 41.758,28.372 41.885,28.499 ; v1(48.006,23.47) 48.819,23.47
  MidLayer2 w0.5: v2@26.086,10.465 26.086,9.906 26.086,7.925 28.372,5.639 34.798,5.639 ; 36.982,28.372 38.151,28.372 38.151,31.242 v1(38.71,31.801) ; v2(37.363,26.213) 37.363,27.991 ; v3(45.799,16.256) 45.799,16.31 46.547,17.058 48.862,17.058
  MidLayer2 w0.6: v1(12.09,27.534) 12.992,26.632 15.532,26.632 16.383,25.781 17.577,25.781 ; v2(21.565,23.241) 21.565,25.781 ; v2(29.159,18.212) 29.54,18.212 29.566,18.237 ; 41.885,28.499 v3(41.885,30.353)
  MidLayer2 w0.7: P5.11@11.278,20.091 11.887,20.091 14.465,22.669 17.577,25.781 21.565,25.781 ; 29.845,29.729 29.856,29.718 29.856,28.118 29.856,24.816 29.856,18.999 29.856,15.61 v2(30.861,14.606) ; 34.798,5.639 35.165,6.006 46.087,6.006 v2@46.087,5.447 ; 46.366,5.421 48.655,5.421 ; 48.376,5.447 49.316,6.387 53.401,6.387 55.148,6.387 55.409,6.648 55.409,6.661 55.849,7.1 55.862,7.1 56.757,7.995 56.757,8.992 56.757,12.839 56.477,13.119 54.762,14.834 51.156,14.834 50.535,15.455 50.464,15.455 48.862,17.058 48.862,25.171 ; 48.844,27.305 48.862,27.305
  MidLayer2 w0.8: 15.494,39.7 15.672,39.878 19.101,39.878 ; 19.101,42.189 19.101,39.878 ; 25.513,29.729 22.612,29.729 19.592,32.749 19.101,33.24 19.101,39.878 ; 36.982,28.372 37.287,28.067 ; 45.136,28.372 47.777,28.372 48.844,27.305 ; 48.862,25.171 48.862,27.305
  MidLayer2 w1: 21.565,25.781 25.513,29.729 29.845,29.729 ; 29.921,29.729 35.625,29.729 36.982,28.372 ; 37.287,28.067 44.831,28.067 45.097,28.333 ; 45.136,28.829 45.136,30.646 51.06,36.57 54.007,39.518 v7(54.007,40.201)
+5V: C2.2 C79.2 D1.2 P5.1 P5.2 R3.2 U9.20 | length 126.1
  Top Layer w0.2: C2.2@60.579,34.761 61.226,34.761 61.638,34.349 R3.2@62.179,34.349
  Top Layer w0.3: U9.20@53.607,12.585 53.607,13.196 53.975,13.564 54.292,13.564 C79.2@54.94,14.212 55.284,14.212 v1(56.236,15.164)
  Top Layer w0.5: D1.2@57.201,35.138 57.578,34.761 C2.2@60.198,34.761 60.198,34.036 60.503,33.731 v2(61.036,33.731)
  Top Layer w0.6: P5.2@8.738,22.631 P5.1@8.738,25.171
  MidLayer2 w0.3: v1(56.236,15.164) 58.928,15.164 59.464,15.7 61.665,15.7
  MidLayer2 w0.5: 6.223,19.939 8.738,22.454 P5.2@8.738,22.631 ; 38.167,2.905 39.03,2.905 ; 55.448,5.182 55.59,5.182
  MidLayer2 w0.6: P5.2@8.738,22.631 6.223,20.117 6.223,19.939 6.223,7.468 7.62,6.071 11.938,6.071 13.248,7.38 25.367,7.38 29.507,3.239 37.832,3.239 38.167,2.905 38.217,2.855 49.388,2.855 51.714,5.182 55.448,5.182 ; 55.59,5.182 61.462,11.053 61.462,15.031 61.665,15.234 61.665,15.7 61.665,26.397 62.814,27.546 62.814,33.299 62.382,33.731 v2(61.036,33.731)
ADC: C99.2 P9.5 R9.2 R45.1 S2.1 U10.8 | length 98.1
  Top Layer w0.2: P9.5@18.288,2.388 18.288,8.458 S2.1@18.948,9.119 ; S2.1@18.845,9.222 S2.1@18.948,9.119 ; R45.1@21.514,9.791 21.514,9.423 21.209,9.119 S2.1@18.948,9.119 ; U10.8@40.026,16.676 40.026,17.916 40.437,18.326 40.437,18.81 C99.2@40.615,18.987 ; C99.2@40.462,19.076 40.894,19.076 v1(41.123,19.304) ; v1(62.103,32.537) 62.103,32.468 R9.2@62.719,31.852
  MidLayer2 w0.2: v1(41.123,19.304) 41.079,19.26 41.079,14.924 41.648,14.355 41.648,11.64 v1@44.01,9.278 ; v1@44.171,9.22 44.501,9.22 46.311,11.031 46.311,13.239 46.805,13.733 46.805,13.734 v1(47.777,14.707)
  Bottom Layer w0.2: P9.5@18.288,2.388 21.539,2.388 22.2,1.727 38.532,1.727 39.776,2.972 41.364,2.972 43.79,5.397 43.79,8.839 v1(44.12,9.169) ; v1(47.777,14.707) 47.777,14.554 48.1,14.232 52.875,14.232 52.908,14.199 54.381,15.672 54.381,26.492 52.611,28.262 52.611,31.453 53.696,32.537 v1(62.103,32.537)
BAT+: BT1.1 P10.1 U6.3 | length 11.2
  Top Layer w0.6: U6.3@48.971,56.213 48.971,57.582 BT1.1@51.714,60.325
  Top Layer w1: P10.1@45.796,60.325 BT1.1@51.714,60.325
BAT_DECT: C84.1 R22.1 R23.2 R46.2 U10.9 | length 53.4
  Top Layer w0.2: v1@39.522,17.932 39.526,17.928 U10.9@39.526,16.676 ; v1(46.99,34.874) 47.244,34.874 ; R22.1@47.117,34.029 47.974,34.029 48.031,34.087 47.244,34.874 ; R23.2@48.92,34.036 49.962,34.036 49.809,34.188 ; C84.1@50.673,34.022 50.507,34.188 49.809,34.188 ; R46.2@63.322,44.602 63.348,44.628 v1(63.348,45.466) ; 47.244,34.874 49.022,34.874 49.759,34.138 49.809,34.188
  MidLayer1 w0.2: v1@39.522,17.932 v1(39.522,17.958)
  Bottom Layer w0.2: v1(39.522,17.958) 39.116,18.364 39.116,21.615 40.183,22.682 43.284,22.682 44.12,23.518 44.12,27.635 43.231,28.524 43.231,29.947 45.822,32.537 46.152,32.537 46.926,33.312 46.926,34.811 v1(46.99,34.874) 47.193,34.874 51.613,39.294 56.921,39.294 63.094,45.466 v1(63.348,45.466)
BOOT0: R18.2 R19.2 U10.60 | length 19.1
  Top Layer w0.2: v1(44.12,13.157) 44.172,13.157 44.429,12.901 U10.60@45.301,12.901 ; v1(56.388,14.453) 56.439,14.503 R19.2@57.157,14.503 ; R18.2@57.157,13.081 R19.2@57.157,14.503
  MidLayer2 w0.2: v1(44.12,13.157) 44.323,13.157 46.424,15.258 49.766,15.258 52.393,12.631 55.684,12.631 v1(55.753,12.7)
  Bottom Layer w0.2: v1(55.753,12.7) 55.753,12.852 56.388,13.487 v1(56.388,14.453)
BOOT1: R20.2 U10.28 | length 2.8
  Top Layer w0.2: R20.2@31.666,8.814 32.233,9.381 U10.28@34.231,9.381
CLK: P6.5 P9.4 U10.49 | length 33.6
  Top Layer w0.2: v3(45.085,6.883) 45.301,7.1 U10.49@45.301,7.401
  Bottom Layer w0.2: P9.4@15.748,2.388 15.748,2.083 16.662,1.168 39.599,1.168 P6.5@39.954,1.524 40.691,1.524 45.085,5.918 v3(45.085,6.883)
DIO: P6.4 P9.3 U10.46 | length 35.1
  Top Layer w0.2: P6.4@42.494,1.524 42.215,1.803 42.215,4.14 42.526,4.452 U10.46@42.526,5.626
  Bottom Layer w0.2: P9.3@13.208,2.388 13.208,2.057 14.757,0.508 41.478,0.508 P6.4@42.494,1.524 P6.4@42.596,1.524
EarphoneL: LS1.2 P2.5 | length 11.2
  Top Layer w0.3: P2.5@55.423,27.749 54.153,26.479 54.153,19.101 LS1.2@55.575,17.678
EarphoneR: LS1.1 P2.6 | length 9.3
  Top Layer w0.3: v1(59.715,19.355) 59.715,21.191 P2.6@59.773,21.248
  MidLayer2 w0.3: LS1.1@53.035,17.678 53.924,17.678 55.448,19.202 59.563,19.202 v1(59.715,19.355)